# Altium PCB SNES_DRONE_PCB.PcbDoc (part 2 of 2)
Units mm, origin at the board's own origin, x right, y up, seen from the top; angles counter-clockwise.
Board outline 102 x 100 mm, 2 copper layers (Top Layer, Bottom Layer), stack 1.336 mm thick; 102 components, 110 nets, 473 pads, 169 vias.
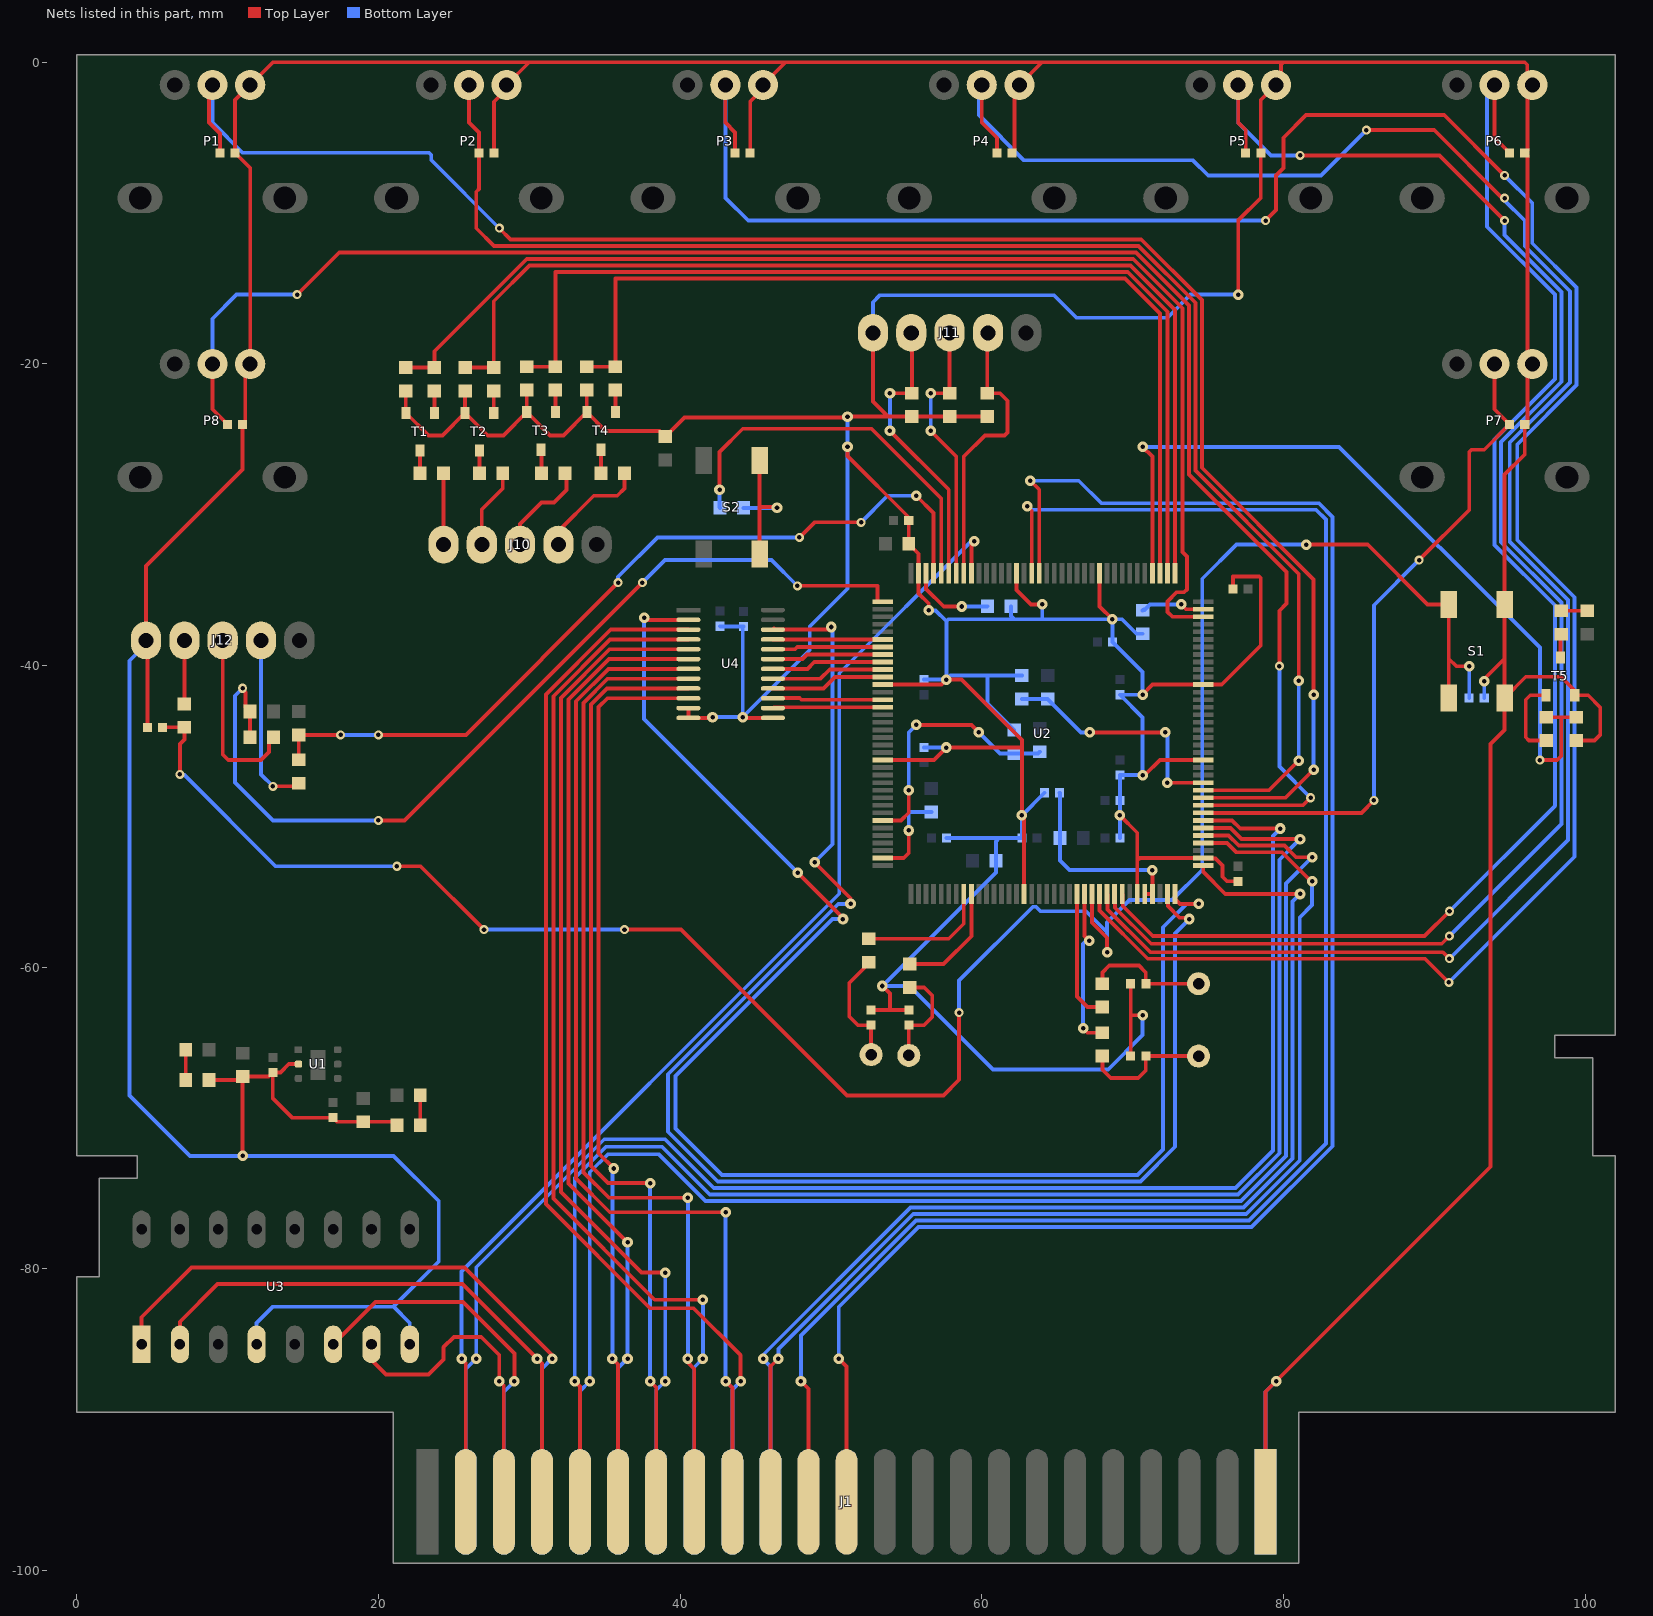
[diagram p2: the nets of this part, all layers, seen from the top]

## Via types
v1: diameter 0.7, hole 0.3, Top Layer to Bottom Layer, 132 vias
v2: diameter 0.6, hole 0.3, Top Layer to Bottom Layer, 37 vias

## Nets (pads, with @x,y where several pads share a name; then routed paths per layer and width w, separated by ;. In a path a pad name is that pad's centre, name@x,y a point inside that pad or via, vN(x,y) a via of type N, cw(c..) or ccw(c..) an arc to the next point about the centre after c; other vN are vias at no path point) (continued)
ADR22: J1.47 U2.91 | length 119.4
  Top Layer w0.254: v1(50.515,-85.94) 51.04,-86.465 J1.47@51.04,-95.44 ; v1(63.215,-27.74) 63.81,-28.335 U2.91@63.81,-33.88
  Bottom Layer w0.254: v1(50.515,-85.94) 50.515,-82.521 55.814,-77.223 77.893,-77.223 83.249,-71.866 83.249,-30.137 82.348,-29.236 67.929,-29.236 66.433,-27.74 v1(63.215,-27.74)
ADR23: J1.48 U2.92 | length 117.4
  Top Layer w0.254: v1(48.015,-87.44) 48.515,-87.94 J1.48@48.515,-95.44 ; v1(63.015,-29.44) 63.31,-29.735 U2.92@63.31,-33.88
  Bottom Layer w0.254: v1(48.015,-87.44) 48.015,-84.411 55.635,-76.791 77.714,-76.791 82.815,-71.69 82.815,-30.314 82.17,-29.668 63.244,-29.668 v1(63.015,-29.44)
BOOT0: R14.2 R15.2 U2.138 | length 17
  Top Layer w0.254: U2.138@53.43,-50.26 54.65,-50.26 55.16,-49.75 v1(55.16,-48.26) ; v1(55.66,-43.93) 59.31,-43.93 v1(59.81,-44.43)
  Bottom Layer w0.254: v1(55.16,-48.26) 55.16,-44.43 v1(55.66,-43.93) ; v1(59.81,-44.43) 61.204,-45.823 R15.2@62.15,-45.823 63.736,-45.823 R14.2@63.855,-45.705
BOOT1: R16.2 R17.2 U2.48 | length 16.2
  Top Layer w0.254: v1(67.16,-44.43) v1(72.16,-44.43) ; v1(72.31,-47.76) U2.48@74.69,-47.76
  Bottom Layer w0.254: R17.2@62.66,-42.205 R16.2@64.364,-42.205 66.589,-44.43 v1(67.16,-44.43) ; v1(72.16,-44.43) 72.31,-44.58 v1(72.31,-47.76)
BTN0: J11.2 R9.2 U2.101 | length 19
  Top Layer w0.254: U2.101@58.81,-33.88 58.81,-26.145 60.215,-24.74 61.515,-24.74 61.715,-24.54 61.715,-22.44 61.215,-21.94 R9.2@60.365,-21.94 60.365,-17.98 J11.2@60.405,-17.94
BTN1: J11.3 R10.2 U2.102 | length 17.9
  Top Layer w0.254: v1(56.615,-24.44) 58.31,-26.135 U2.102@58.31,-33.88 ; v1(56.615,-21.94) R10.2@57.865,-21.94 J11.3@57.865,-17.94
  Bottom Layer w0.254: v1(56.615,-24.44) v1(56.615,-21.94)
BTN2: J11.4 R11.2 U2.103 | length 19
  Top Layer w0.254: v1(53.915,-24.44) 57.81,-28.335 U2.103@57.81,-33.88 ; v1(53.915,-21.94) R11.2@55.365,-21.94 55.365,-17.98 J11.4@55.325,-17.94
  Bottom Layer w0.254: v1(53.915,-24.44) v1(53.915,-21.94)
BTN3: R13.2 U2.104 | length 25.9
  Top Layer w0.254: v1(42.615,-28.34) 42.615,-25.84 44.155,-24.3 52.7,-24.3 57.31,-28.91 U2.104@57.31,-33.88
  Bottom Layer w0.254: v1(42.615,-28.34) 42.615,-29.505 R13.2@42.65,-29.54
DATA0: U2.114 U4.21 | length 7.3
  Top Layer w0.254: U4.21@46.15,-38.265 46.155,-38.26 U2.114@53.43,-38.26
DATA1: U2.115 U4.20 | length 7.3
  Top Layer w0.254: U4.20@46.15,-38.915 47.615,-38.915 47.77,-38.76 U2.115@53.43,-38.76
DATA2: U2.116 U4.19 | length 7.4
  Top Layer w0.254: U4.19@46.15,-39.565 48.115,-39.565 48.42,-39.26 U2.116@53.43,-39.26
DATA3: U2.117 U4.18 | length 7.5
  Top Layer w0.254: U4.18@46.15,-40.215 48.44,-40.215 48.895,-39.76 U2.117@53.43,-39.76
DATA4: U2.118 U4.17 | length 7.5
  Top Layer w0.254: U4.17@46.15,-40.865 49.315,-40.865 49.92,-40.26 U2.118@53.43,-40.26
DATA5: U2.119 U4.16 | length 7.6
  Top Layer w0.254: U4.16@46.15,-41.515 49.515,-41.515 50.27,-40.76 U2.119@53.43,-40.76
DATA6: U2.122 U4.15 | length 7.3
  Top Layer w0.254: U4.15@46.15,-42.165 46.175,-42.14 47.915,-42.14 48.035,-42.26 U2.122@53.43,-42.26
DATA7: U2.123 U4.14 | length 7.3
  Top Layer w0.254: U4.14@46.15,-42.815 46.205,-42.76 U2.123@53.43,-42.76
GND: C1.1 C2.1 C3.1 C4.1 C5.1 C6.1 C7.1 C8.1 C9.1 C10.1 C11.1 C12.1 C13.1 C14.1 C15.1 C16.1 C17.1 C18.1 C19.1 C20.1 C21.1 C22.1 C23.1 C24.1 C25.1 C26.1 C27.1 C28.1 C29.1 C30.1 C31.2 C32.1 C33.1 C34.1 C35.1 C36.2 C37.1 D1.2 D2.2 J1.5 J1.36 J11.5 J12.1 P1.3 P2.3 P3.3 P4.3 P5.3 P6.3 P7.3 P8.3 R9.1 R10.1 R11.1 R12.1 R15.1 R17.1 R26.1 R27.1 R28.1 R29.1 R32.1 S1.3 T1.2 T2.2 T3.2 T4.2 T5.2 U1.2 U2.16 U2.31 U2.38 U2.51 U2.61 U2.83 U2.94 U2.107 U2.120 U2.130 U3.4 U3.8 U4.11 U4.12 U4.13 | length 703.8
  Top Layer w0.254: C37.1@4.682,-44.09 4.682,-38.417 J12.1@4.596,-38.332 4.596,-33.404 11,-27 C12.1@11,-24 11.173,-23.827 11.173,-20.327 P8.3@11.5,-20 11.5,-7 C5.1@10.5,-6 10.5,-2.5 P1.3@11.5,-1.5 13,0 30,0 ; D1.2@8.775,-67.47 10.775,-67.47 C1.1@11,-67.245 ; v1(11,-72.5) C1.1@11,-67.245 ; U1.2@14.7,-66.42 14.06,-66.42 13.51,-66.97 C2.1@13,-66.97 ; D2.2@21.225,-70.47 21,-70.245 C3.1@19,-70.245 17.275,-70.245 C4.1@17,-69.97 14.275,-69.97 13,-68.695 C2.1@13,-66.97 ; R26.1@21.815,-21.79 T1.2@21.815,-23.24 23.315,-24.74 24.245,-24.74 T2.2@25.745,-23.24 ; R27.1@25.745,-21.784 T2.2@25.745,-23.24 ; C6.1@27.665,-6 27.665,-2.618 28.5,-1.784 P2.3@28.5,-1.5 30,0 ; R28.1@29.835,-21.734 T3.2@29.835,-23.19 ; R29.1@33.815,-21.734 T4.2@33.815,-23.19 ; U4.11@40.55,-42.815 U4.12@40.55,-43.465 42.1,-43.465 v1(42.15,-43.415) ; v1(44.15,-43.415) 44.15,-43.465 U4.13@46.15,-43.465 ; C7.1@44.65,-6 44.65,-2.603 45.5,-1.754 P3.3@45.5,-1.5 47,0 ; v1(51.1,-25.5) 51.1,-26.1 55.16,-30.16 C13.1@55.16,-30.376 C25.1@55.16,-31.93 55.81,-32.58 U2.107@55.81,-33.88 55.81,-35.21 56.49,-35.89 v1(56.49,-36.335) ; C33.1@52.665,-62.84 53.915,-62.84 ; J11.5@52.785,-17.94 52.785,-22.49 53.785,-23.49 ; v1(53.415,-61.24) 53.915,-61.74 53.915,-62.84 ; U2.130@53.43,-46.26 56.83,-46.26 v1(57.66,-45.43) 62.66,-45.43 ; U2.120@53.43,-41.26 57.33,-41.26 v1(57.66,-40.93) 58.66,-40.93 62.66,-44.93 62.66,-45.43 ; C32.1@55.165,-62.84 53.915,-62.84 ; R9.1@60.365,-23.49 R10.1@57.865,-23.49 R11.1@55.365,-23.49 53.785,-23.49 ; C8.1@62,-6 62.173,-5.827 62.173,-1.827 P4.3@62.5,-1.5 64,0 ; U2.94@62.31,-33.88 62.31,-34.985 63.265,-35.94 v1(64.015,-35.94) ; U2.16@62.81,-55.14 62.81,-50.08 v1(62.66,-49.93) 62.66,-45.43 ; U2.83@67.81,-33.88 67.81,-36.08 v1(68.66,-36.93) ; v1(69.16,-49.93) 70.31,-51.08 70.31,-52.93 ; C35.1@69.875,-65.89 69.875,-63.14 ; C34.1@69.875,-61.09 69.875,-63.14 ; U2.31@70.31,-55.14 70.31,-52.93 ; v1(70.66,-63.185) 69.92,-63.185 69.875,-63.14 ; v1(70.66,-47.26) 70.81,-47.26 71.81,-46.26 U2.51@74.69,-46.26 ; v1(70.66,-41.93) 71.33,-41.26 U2.61@74.69,-41.26 75.908,-41.26 78.5,-38.668 78.5,-34.2 78.4,-34.1 76.66,-34.1 C22.1@76.66,-34.93 ; C24.1@76.999,-54.3 76.258,-54.3 75.958,-54 75.958,-53.26 75.491,-52.793 74.723,-52.793 U2.38@74.69,-52.76 70.48,-52.76 70.31,-52.93 ; v1(77,-15.4) 77,-10.5 78.5,-9 C9.1@78.5,-6 78.5,-2.5 P5.3@79.5,-1.5 79.834,-1.166 79.834,-0.166 80,0 ; J1.36@78.815,-95.44 78.815,-88.14 v1(79.515,-87.44) 93.732,-73.223 93.732,-45.206 94.665,-44.273 S1.3@94.665,-42.14 ; v1(93.315,-41.04) 93.315,-40.89 94.665,-39.54 ; R32.1@99.415,-44.971 100.619,-44.971 101,-44.59 101,-42.76 100.205,-41.965 T5.2@99.315,-41.965 99.315,-41.658 98.396,-40.74 96.065,-40.74 S1.3@94.665,-42.14 ; C1.1@11,-67.245 12.725,-67.245 C2.1@13,-66.97 ; T2.2@25.745,-23.24 27.245,-24.74 28.285,-24.74 T3.2@29.835,-23.19 ; T3.2@29.835,-23.19 31.385,-24.74 32.265,-24.74 T4.2@33.815,-23.19 ; 30,0 47,0 ; T4.2@33.815,-23.19 35.065,-24.44 38.64,-24.44 R12.1@39.015,-24.815 39.04,-24.815 40.298,-23.557 51.042,-23.557 v1(51.1,-23.499) 51.109,-23.49 53.785,-23.49 ; 47,0 64,0 ; 64,0 80,0 ; 80,0 96,0 96.166,-0.166 96.166,-1.166 P6.3@96.5,-1.5 96.173,-1.827 96.173,-5.827 C10.1@96,-6 96.173,-6.173 96.173,-19.673 P7.3@96.5,-20 96.173,-20.327 96.173,-23.827 C11.1@96,-24 96,-26 94.665,-27.335 S1.3@94.665,-35.94 94.665,-39.54 ; S1.3@94.665,-42.14 94.665,-39.54
  Bottom Layer w0.254: J12.1@4.596,-38.332 4.596,-38.582 3.5,-39.678 3.5,-68.5 7.5,-72.5 v1(11,-72.5) 21,-72.5 24,-75.5 24,-79.5 21,-82.5 ; U3.4@11.92,-85 11.92,-83.58 13,-82.5 21,-82.5 ; U3.8@22.08,-85 22.08,-83.58 21,-82.5 ; v1(42.15,-43.415) v1(44.15,-43.415) ; C30.1@42.65,-37.39 42.675,-37.415 C31.2@44.2,-37.415 44.15,-37.465 v1(44.15,-43.415) ; v1(51.1,-23.499) v1(51.1,-25.5) 51.1,-34.9 48.6,-37.4 48.6,-38.965 v1(44.15,-43.415) ; J11.5@52.785,-17.94 52.785,-15.911 53.256,-15.44 64.775,-15.44 66.275,-16.94 72.31,-16.94 73.85,-15.4 v1(77,-15.4) ; C15.1@56.16,-45.43 v1(57.66,-45.43) ; C14.1@56.16,-40.93 v1(57.66,-40.93) ; v1(56.49,-36.335) 56.935,-36.335 57.66,-37.06 ; C16.1@57.66,-51.43 61.16,-51.43 ; C29.1@61.935,-36.06 61.935,-36.705 62.16,-36.93 ; R15.1@62.15,-44.273 60.385,-42.508 60.385,-40.742 60.298,-40.655 ; R17.1@62.66,-40.655 60.298,-40.655 ; v1(64.015,-35.94) 64.015,-36.93 ; C26.1@64.16,-48.43 v1(62.66,-49.93) C17.1@62.66,-51.43 61.16,-51.43 ; C18.1@69.16,-51.43 v1(69.16,-49.93) C19.1@69.16,-48.93 C20.1@69.16,-47.26 v1(70.66,-47.26) 70.66,-43.434 C21.1@69.156,-41.93 v1(70.66,-41.93) 70.66,-40.43 C23.1@68.66,-38.43 v1(68.66,-36.93) ; v1(70.66,-63.185) 70.66,-64.495 68.385,-66.77 60.74,-66.77 55.21,-61.24 v1(53.415,-61.24) 60.935,-53.72 C27.1@60.935,-52.93 60.935,-51.655 61.16,-51.43 ; C28.1@70.66,-37.885 70.26,-37.885 69.305,-36.93 v1(68.66,-36.93) ; J1.5@78.815,-95.44 78.815,-88.14 v1(79.515,-87.44) ; C36.2@93.315,-42.14 v1(93.315,-41.04) ; v1(57.66,-40.93) 57.935,-40.655 60.298,-40.655 ; v1(57.66,-40.93) 57.66,-37.06 ; 57.66,-37.06 57.79,-36.93 62.16,-36.93 ; 62.16,-36.93 64.015,-36.93 ; 64.015,-36.93 v1(68.66,-36.93)
GPIO0: R19.1 R26.2 U2.70 | length 80
  Top Layer w0.254: R26.2@21.815,-20.24 R19.1@23.715,-20.24 23.715,-19.159 29.83,-13.044 70.042,-13.044 73.3,-16.303 73.3,-32.465 73.6,-32.765 73.6,-34.955 73.415,-35.14 72.915,-35.14 72.315,-35.74 72.315,-36.44 72.635,-36.76 U2.70@74.69,-36.76
GPIO1: R21.1 R27.2 U2.73 | length 71.1
  Top Layer w0.254: R27.2@25.745,-20.234 R21.1@27.645,-20.234 27.645,-15.84 30.009,-13.476 69.863,-13.476 72.81,-16.424 U2.73@72.81,-33.88
GPIO2: R23.1 R28.2 U2.74 | length 67.2
  Top Layer w0.254: R28.2@29.835,-20.184 R23.1@31.735,-20.184 31.735,-13.908 69.684,-13.908 72.31,-16.535 U2.74@72.31,-33.88
GPIO3: R25.1 R29.2 U2.75 | length 62
  Top Layer w0.254: R29.2@33.815,-20.184 R25.1@35.715,-20.184 35.715,-14.34 69.505,-14.34 71.81,-16.645 U2.75@71.81,-33.88
MCU_POT0: C5.2 P1.2 U2.46 | length 120.3
  Top Layer w0.254: P1.2@9,-1.5 8.775,-1.725 8.775,-4 9.5,-4.725 C5.2@9.5,-6 ; v2(28.015,-11) 28.764,-11.749 70.578,-11.749 74.595,-15.766 74.595,-26.885 82,-34.289 v1(82,-41.93) ; U2.46@74.69,-48.76 80.14,-48.76 v1(82,-46.9)
  Bottom Layer w0.254: P1.2@9,-1.5 9,-4 11,-6 23.351,-6 23.5,-6.149 23.5,-6.485 v2(28.015,-11) ; v1(82,-46.9) v1(82,-41.93)
MCU_POT1: C6.2 P2.2 U2.47 | length 99.9
  Top Layer w0.254: P2.2@26,-1.5 26,-4 26.665,-4.665 C6.2@26.665,-6 26.665,-8.412 26.49,-8.588 26.49,-11 27.671,-12.181 70.399,-12.181 74.164,-15.945 74.164,-27.064 81.015,-33.915 v1(81.015,-41) ; U2.47@74.69,-48.26 79.055,-48.26 v1(81.015,-46.3)
  Bottom Layer w0.254: v1(81.015,-46.3) v1(81.015,-41)
MCU_POT2: C7.2 P3.2 U2.26 | length 160
  Top Layer w0.254: P3.2@43,-1.5 43,-4 43.65,-4.65 C7.2@43.65,-6 ; U2.26@67.81,-55.14 67.81,-56.238 71.004,-59.432 89.397,-59.432 v2(90.965,-61) ; v2(78.815,-10.5) 79.515,-9.8 79.515,-7.5 80,-7.015 80,-5 81.5,-3.5 90.665,-3.5 v2(94.665,-7.5)
  Bottom Layer w0.254: P3.2@43,-1.5 43.015,-1.515 43.015,-9 44.515,-10.5 v2(78.815,-10.5) ; v2(90.965,-61) 99.295,-52.67 99.295,-35.463 95.5,-31.668 95.5,-25.332 99.432,-21.4 99.432,-14.932 96.5,-12 96.5,-9.335 v2(94.665,-7.5)
MCU_POT3: C8.2 P4.2 U2.27 | length 130.4
  Top Layer w0.254: P4.2@60,-1.5 60,-4 61,-5 C8.2@61,-6 ; U2.27@68.31,-55.14 68.343,-55.173 68.343,-56.16 71.183,-59 90.568,-59 v2(91,-59.432) ; v2(85.5,-4.5) 90,-4.5 94.5,-9 v2(94.665,-9)
  Bottom Layer w0.254: P4.2@60,-1.5 59.81,-1.69 59.81,-3.5 62.81,-6.5 74.015,-6.5 75.015,-7.5 82.5,-7.5 v2(85.5,-4.5) ; v2(91,-59.432) 98.864,-51.568 98.864,-35.642 95,-31.779 95,-25.221 99,-21.221 99,-15.179 96,-12.179 96,-10.5 94.665,-9.165 v2(94.665,-9)
MCU_POT4: C9.2 P5.2 U2.28 | length 107.2
  Top Layer w0.254: U2.28@68.81,-55.14 68.843,-55.173 68.843,-56.049 71.234,-58.44 90.495,-58.44 v2(91,-57.935) ; P5.2@77,-1.5 77,-4 77.5,-4.5 C9.2@77.5,-6 ; v2(81.1,-6.173) 90.338,-6.173 v2(94.665,-10.5)
  Bottom Layer w0.254: P5.2@77,-1.5 77,-4 79.173,-6.173 v2(81.1,-6.173) ; v2(91,-57.935) 98.432,-50.503 98.432,-35.821 94.432,-31.821 94.432,-25.179 98.432,-21.179 98.432,-15.221 94.665,-11.455 v2(94.665,-10.5)
MCU_POT5: C10.2 P6.2 U2.29 | length 92
  Top Layer w0.254: U2.29@69.31,-55.14 69.343,-55.173 69.343,-55.939 71.339,-57.935 89.36,-57.935 v2(91.011,-56.284) ; P6.2@94,-1.5 94,-5 C10.2@95,-6
  Bottom Layer w0.254: v2(91.011,-56.284) 98,-49.295 98,-36 94,-32 94,-25 98,-21 98,-15.4 93.5,-10.9 93.5,-2 P6.2@94,-1.5
MCU_POT6: C11.2 P7.2 U2.44 | length 45.2
  Top Layer w0.254: U2.44@74.69,-49.76 85.17,-49.76 v2(86,-48.93) ; v2(89,-33) 92.315,-29.685 92.315,-25.839 92.464,-25.69 93.31,-25.69 C11.2@95,-24 94,-23 P7.2@94,-20
  Bottom Layer w0.254: v2(86,-48.93) 86,-36 v2(89,-33)
MCU_POT7: C12.2 P8.2 U2.45 | length 119.1
  Top Layer w0.254: P8.2@9,-20 9,-23 C12.2@10,-24 ; v2(14.615,-15.4) 17.402,-12.613 70.22,-12.613 73.732,-16.124 73.732,-27.332 80.2,-33.8 80.2,-35.89 79.732,-36.358 v2(79.732,-40.04) ; U2.45@74.69,-49.26 81.3,-49.26 v2(81.8,-48.76)
  Bottom Layer w0.254: P8.2@9,-20 9,-17 10.6,-15.4 v2(14.615,-15.4) ; v2(79.732,-40.04) 79.732,-46.692 v2(81.8,-48.76)
MCU_USR_LED: R31.1 R32.2 U2.76 | length 54.1
  Top Layer w0.254: v1(70.664,-25.5) 71.31,-26.146 U2.76@71.31,-33.88 ; v2(97,-46.26) 98.155,-46.26 98.415,-46 98.415,-43.421 ; R31.1@97.415,-43.421 98.415,-43.421 ; R32.2@99.415,-43.421 98.415,-43.421
  Bottom Layer w0.254: v1(70.664,-25.5) 83.695,-25.5 97,-38.805 v2(97,-46.26)
NetC26_2: C26.2 L1.2 U2.32 U2.33 | length 13
  Top Layer w0.254: U2.32@70.81,-55.14 U2.33@71.31,-55.14 v1(71.31,-53.56)
  Bottom Layer w0.254: C26.2@65.16,-48.43 65.181,-48.451 L1.2@65.181,-51.43 65.181,-52.93 65.811,-53.56 v1(71.31,-53.56)
NetC28_2: C28.2 U2.71 | length 4.4
  Top Layer w0.254: v1(73.215,-35.94) 73.535,-36.26 U2.71@74.69,-36.26
  Bottom Layer w0.254: C28.2@70.66,-36.335 70.735,-36.26 70.79,-36.315 71.165,-35.94 v1(73.215,-35.94)
NetC29_2: C29.2 U2.106 | length 5.6
  Top Layer w0.254: U2.106@56.31,-33.88 56.31,-34.91 57.48,-36.08 v1(58.66,-36.08)
  Bottom Layer w0.254: v1(58.66,-36.08) 60.365,-36.08 C29.2@60.385,-36.06
NetC32_2: C32.2 R5.1 X1.1 | length 7
  Top Layer w0.254: X1.1@55.165,-65.84 C32.2@55.165,-63.84 56.165,-63.84 56.715,-63.29 56.715,-61.865 56.19,-61.34 R5.1@55.165,-61.34
NetC33_2: C33.2 R6.1 X1.2 | length 7.9
  Top Layer w0.254: R6.1@52.615,-59.636 51.215,-61.036 51.215,-63.27 51.785,-63.84 C33.2@52.665,-63.84 X1.2@52.665,-65.79
NetC34_2: C34.2 R7.1 X2.1 | length 8.2
  Top Layer w0.254: R7.1@68,-61.09 68,-60.34 68.45,-59.89 70.425,-59.89 70.875,-60.34 C34.2@70.875,-61.09 X2.1@74.375,-61.09
NetC35_2: C35.2 R8.1 X2.2 | length 8.7
  Top Layer w0.254: R8.1@68,-65.89 68,-66.79 68.55,-67.34 70.375,-67.34 70.875,-66.84 C35.2@70.875,-65.89 X2.2@74.375,-65.89
NetD1_1: D1.1 R1.1 | length 2
  Top Layer w0.254: D1.1@7.225,-67.47 R1.1@7.225,-65.47
NetD2_1: D2.1 R4.1 | length 2
  Top Layer w0.254: D2.1@22.775,-70.47 R4.1@22.775,-68.47
NetD3_2: D3.2 R30.2 | length 1.7
  Top Layer w0.254: R30.2@98.415,-36.365 D3.2@100.144,-36.365
NetJ1_18: J1.18 U2.37 | length 75.8
  Top Layer w0.254: v1(45.515,-85.94) v1@45.629,-85.94 ; U2.37@74.69,-53.26 74.69,-53.69 76.14,-55.14 81.057,-55.14 81.078,-55.118 v1(81.1,-55.14)
  Bottom Layer w0.254: J1.18@45.99,-95.44 45.99,-86.465 45.465,-85.94 v1(45.515,-85.94) 45.515,-85.689 55.277,-75.927 77.356,-75.927 80.595,-72.688 80.595,-55.644 v1(81.1,-55.14)
NetJ1_19: J1.19 U4.3 | length 72
  Top Layer w0.254: U4.3@40.55,-37.615 35.4,-37.615 31.1,-41.915 31.1,-75.7 38,-82.6 40.9,-82.6 44.015,-85.715 v1(44.015,-87.44)
  Bottom Layer w0.254: J1.19@43.465,-95.44 43.465,-87.99 v1(44.015,-87.44)
NetJ1_20: J1.20 U4.4 | length 70.1
  Top Layer w0.254: U4.4@40.55,-38.265 35.361,-38.265 31.6,-42.026 31.6,-75.325 38.315,-82.04 v1(41.515,-82.04)
  Bottom Layer w0.254: J1.20@40.94,-95.44 40.94,-86.515 v1(41.515,-85.94) v1(41.515,-82.04)
NetJ1_21: J1.21 U4.5 | length 67.1
  Top Layer w0.254: v1(39.015,-80.24) 37.44,-80.24 32.1,-74.9 32.1,-42.137 35.322,-38.915 U4.5@40.55,-38.915
  Bottom Layer w0.254: J1.21@38.415,-95.44 38.415,-88.04 v1(39.015,-87.44) v1(39.015,-80.24)
NetJ1_22: J1.22 U4.6 | length 64.1
  Top Layer w0.254: v1(36.515,-78.24) 32.6,-74.325 32.6,-42.247 35.282,-39.565 U4.6@40.55,-39.565
  Bottom Layer w0.254: J1.22@35.89,-95.44 35.89,-86.565 v1(36.515,-85.94) v1(36.515,-78.24)
NetJ1_23: J1.23 U2.41 | length 99.6
  Top Layer w0.254: U2.41@74.69,-51.26 76.368,-51.26 77.042,-51.934 80.07,-51.934 80.836,-52.7 v1(81.9,-52.7)
  Bottom Layer w0.254: J1.23@33.365,-95.44 33.365,-88.09 v1(34.015,-87.44) 34.015,-73.585 35.2,-72.4 38.6,-72.4 41.696,-75.496 77.177,-75.496 80.164,-72.509 80.164,-54.436 v1(81.9,-52.7)
NetJ1_24: J1.24 U3.1 | length 42.8
  Top Layer w0.254: U3.1@4.3,-85 4.3,-83.2 7.6,-79.9 25.7,-79.9 31.515,-85.715 v1(31.515,-85.94)
  Bottom Layer w0.254: J1.24@30.84,-95.44 30.84,-86.615 v1(31.515,-85.94)
NetJ1_25: J1.25 U3.6 | length 24.7
  Top Layer w0.254: U3.6@17,-85 19.8,-82.2 25.6,-82.2 29.015,-85.615 v1(29.015,-87.44)
  Bottom Layer w0.254: J1.25@28.315,-95.44 28.315,-88.14 v1(29.015,-87.44)
NetJ1_26: J1.26 U2.43 | length 101.4
  Top Layer w0.254: U2.43@74.69,-50.26 76.595,-50.26 77.136,-50.8 v1(79.8,-50.8)
  Bottom Layer w0.254: J1.26@25.79,-95.44 25.79,-86.64 v1(26.49,-85.94) 26.49,-79.882 34.972,-71.4 39,-71.4 42.232,-74.632 76.82,-74.632 79.3,-72.152 79.3,-51.3 v1(79.8,-50.8)
NetJ1_49: J1.49 U2.40 | length 77.2
  Top Layer w0.254: J1.49@45.99,-95.44 45.99,-86.415 46.04,-86.415 v1(46.515,-85.94) ; U2.40@74.69,-51.76 76.254,-51.76 76.862,-52.368 79.89,-52.368 81.822,-54.3 v1(81.9,-54.3)
  Bottom Layer w0.254: v1(46.515,-85.94) 46.515,-85.3 55.456,-76.359 77.535,-76.359 81.078,-72.816 81.078,-56.703 81.9,-55.882 v1(81.9,-54.3)
NetJ1_50: J1.50 U4.7 | length 70.2
  Top Layer w0.254: U4.7@40.55,-40.215 35.243,-40.215 33.1,-42.358 33.1,-74 35.34,-76.24 v1(43.015,-76.24) ; v1(43.015,-87.44) 43.465,-87.89 J1.50@43.465,-95.44
  Bottom Layer w0.254: v1(43.015,-87.44) v1(43.015,-76.24)
NetJ1_51: J1.51 U4.8 | length 66.7
  Top Layer w0.254: v1(40.515,-85.94) 40.515,-86.2 40.94,-86.625 J1.51@40.94,-95.44 ; v1(40.515,-75.273) 35.273,-75.273 33.6,-73.6 33.6,-42.469 35.204,-40.865 U4.8@40.55,-40.865
  Bottom Layer w0.254: v1(40.515,-85.94) v1(40.515,-75.273)
NetJ1_52: J1.52 U4.9 | length 63.3
  Top Layer w0.254: v1(38.015,-87.44) 38.415,-87.84 J1.52@38.415,-95.44 ; v1(38.015,-74.307) 35.222,-74.307 34.1,-73.185 34.1,-42.579 35.164,-41.515 U4.9@40.55,-41.515
  Bottom Layer w0.254: v1(38.015,-74.307) v1(38.015,-87.44) v1@38.115,-87.34
NetJ1_53: J1.53 U4.10 | length 59.5
  Top Layer w0.254: v1(35.515,-85.94) 35.89,-86.315 J1.53@35.89,-95.44 ; v1(35.615,-73.34) 34.6,-72.325 34.6,-42.744 35.18,-42.165 U4.10@40.55,-42.165
  Bottom Layer w0.254: v1(35.515,-85.94) 35.515,-73.44 v1(35.615,-73.34)
NetJ1_54: J1.54 U2.42 | length 100
  Top Layer w0.254: v1(33.015,-87.44) 33.365,-87.79 J1.54@33.365,-95.44 J1.54@33.565,-95.24 ; U2.42@74.69,-50.76 76.482,-50.76 77.222,-51.5 v1(81.1,-51.5)
  Bottom Layer w0.254: v1(33.015,-87.44) 33.015,-73.971 35.086,-71.9 38.8,-71.9 41.964,-75.064 76.999,-75.064 79.732,-72.331 79.732,-52.868 v1(81.1,-51.5)
NetJ1_55: J1.55 U3.2 | length 37.9
  Top Layer w0.254: U3.2@6.84,-85 6.84,-83.5 9.34,-81 25.575,-81 v1(30.515,-85.94) 30.84,-86.265 J1.55@30.84,-95.44
NetJ1_56: J1.56 U3.7 | length 21.8
  Top Layer w0.254: U3.7@19.54,-85 19.54,-86.04 20.5,-87 23.315,-87 24.315,-86 24.315,-85.185 25,-84.5 26.815,-84.5 28.015,-85.7 v1(28.015,-87.44) 28.315,-87.74 J1.56@28.315,-95.44
NetJ1_57: J1.57 U2.100 | length 80.4
  Top Layer w0.254: v1(25.515,-85.94) 25.79,-86.215 J1.57@25.79,-95.44 ; U2.100@59.31,-33.88 59.31,-31.745 v1(59.515,-31.745)
  Bottom Layer w0.254: v1(25.515,-85.94) 25.515,-80.157 50.549,-55.123 50.549,-40.506 59.31,-31.745 v1(59.515,-31.745)
NetJ10_2: J10.2 R24.2 | length 7.5
  Top Layer w0.254: J10.2@31.935,-31.973 31.935,-31.08 34.275,-28.74 35.835,-28.74 36.315,-28.26 R24.2@36.315,-27.24
NetJ10_3: J10.3 R22.2 | length 6.5
  Top Layer w0.254: J10.3@29.395,-31.973 29.395,-30.61 30.815,-29.19 31.64,-29.19 32.465,-28.365 32.465,-27.34 R22.2@32.365,-27.24
NetJ10_4: J10.4 R20.2 | length 5.3
  Top Layer w0.254: J10.4@26.855,-31.973 26.855,-29.65 28.245,-28.26 R20.2@28.245,-27.24
NetJ10_5: J10.5 R18.2 | length 4.7
  Top Layer w0.254: J10.5@24.315,-31.973 R18.2@24.315,-27.24
NetJ12_2: J12.2 R35.1 | length 4.2
  Top Layer w0.254: R35.1@7.136,-42.54 J12.2@7.136,-38.332
NetJ12_3: J12.3 R34.1 | length 12.1
  Top Layer w0.254: J12.3@9.676,-38.332 9.676,-45.896 10.04,-46.26 12.216,-46.26 12.739,-45.737 12.739,-45.042 R34.1@13.037,-44.744
NetJ12_4: J12.4 R33.1 | length 11.8
  Top Layer w0.254: v2(13,-48) 14.51,-48 R33.1@14.716,-47.794
  Bottom Layer w0.254: J12.4@12.216,-38.332 12.216,-47.216 v2(13,-48)
NetR2_2: R2.2 U2.143 | length 6.1
  Top Layer w0.254: U2.143@53.43,-52.76 54.83,-52.76 55.16,-52.43 v1(55.16,-50.93)
  Bottom Layer w0.254: v1(55.16,-50.93) 55.16,-49.705 R2.2@56.66,-49.705
NetR13_1: R13.1 S2.1 | length 9.6
  Top Layer w0.254: S2.1@45.275,-32.59 45.275,-29.49 ; S2.1@45.275,-26.39 45.275,-29.49 ; v1(46.425,-29.54) 46.425,-29.49 45.275,-29.49
  Bottom Layer w0.254: R13.1@44.2,-29.54 v1(46.425,-29.54)
NetR18_1: R18.1 T1.3 | length 1.5
  Top Layer w0.254: R18.1@22.765,-27.24 T1.3@22.765,-25.74
NetR19_2: R19.2 T1.1 | length 1.4
  Top Layer w0.254: T1.1@23.715,-23.24 R19.2@23.715,-21.79
NetR20_1: R20.1 T2.3 | length 1.5
  Top Layer w0.254: R20.1@26.695,-27.24 T2.3@26.695,-25.74
NetR21_2: R21.2 T2.1 | length 1.5
  Top Layer w0.254: T2.1@27.645,-23.24 R21.2@27.645,-21.784
NetR22_1: R22.1 T3.3 | length 1.6
  Top Layer w0.254: T3.3@30.785,-25.69 30.815,-25.72 R22.1@30.815,-27.24
NetR23_2: R23.2 T3.1 | length 1.5
  Top Layer w0.254: T3.1@31.735,-23.19 R23.2@31.735,-21.734
NetR24_1: R24.1 T4.3 | length 1.6
  Top Layer w0.254: R24.1@34.765,-27.24 T4.3@34.765,-25.69
NetR25_2: R25.2 T4.1 | length 1.5
  Top Layer w0.254: T4.1@35.715,-23.19 R25.2@35.715,-21.734
NetR30_1: R30.1 T5.3 | length 1.6
  Top Layer w0.254: T5.3@98.365,-39.465 98.365,-37.966 R30.1@98.415,-37.915
NetR31_2: R31.2 T5.1 | length 5.4
  Top Layer w0.254: T5.1@97.415,-41.965 96.36,-41.965 96.065,-42.26 96.065,-44.744 96.292,-44.971 R31.2@97.415,-44.971
NetU2_35: U2.35 U4.22 | length 98.7
  Top Layer w0.254: U4.22@46.22,-37.545 U4.22@46.15,-37.615 49.84,-37.615 v1(50.015,-37.44) ; v1(48.915,-53.04) 51.3,-55.425 v1(51.3,-55.8) ; U2.35@72.31,-55.14 72.343,-55.173 72.343,-55.939 73.119,-56.715 73.68,-56.715 v1(73.765,-56.8)
  Bottom Layer w0.254: v1(48.915,-53.04) 50.115,-51.84 50.115,-37.34 v1(50.015,-37.44) ; v1(51.3,-55.8) 50.486,-55.8 39.2,-67.086 39.2,-70.9 42.498,-74.198 70.516,-74.198 72.815,-71.899 72.815,-57.75 v1(73.765,-56.8)
NetU2_36: U2.36 U4.2 | length 101.4
  Top Layer w0.254: v1(37.615,-36.84) 37.74,-36.965 U4.2@40.55,-36.965 ; v1(47.815,-53.74) 50.8,-56.725 v1(50.8,-56.8) ; U2.36@72.81,-55.14 72.81,-55.468 73.142,-55.8 v1(74.375,-55.8)
  Bottom Layer w0.254: v1(37.615,-36.84) 37.615,-43.54 v1(47.815,-53.74) ; v1(50.8,-56.8) 50.1,-56.8 39.7,-67.2 39.7,-70.686 42.78,-73.766 70.334,-73.766 72.015,-72.085 72.015,-57.35 73.565,-55.8 v1(74.375,-55.8)
NRST: C36.1 C37.2 R35.2 S1.1 U2.25 | length 146.8
  Top Layer w0.254: C37.2@5.682,-44.09 R35.2@7.136,-44.09 7.136,-44.896 6.84,-45.192 v2(6.84,-47.216) ; v2(21.225,-53.3) 22.8,-53.3 v2(27,-57.5) ; v2(36.315,-57.5) 40.065,-57.5 51.065,-68.5 57.46,-68.5 58.5,-67.46 v2(58.5,-63) ; U2.25@67.31,-55.14 67.31,-57.04 68.31,-58.04 v1(68.31,-59) ; v1(81.5,-31.975) 85.59,-31.975 89.555,-35.94 S1.1@90.965,-35.94 90.965,-39.54 ; S1.1@90.965,-42.14 90.965,-39.54 ; v1(92.315,-40.04) 91.465,-40.04 90.965,-39.54
  Bottom Layer w0.254: v2(6.84,-47.216) 6.884,-47.26 7.136,-47.26 13.176,-53.3 v2(21.225,-53.3) ; v2(27,-57.5) v2(36.315,-57.5) ; v2(58.5,-63) 58.5,-60.882 63.395,-55.987 63.605,-55.987 63.902,-56.284 66.915,-56.284 68.31,-57.679 ; v1(68.31,-59) 68.31,-57.679 ; v1(81.5,-31.975) 76.88,-31.975 74.615,-34.24 74.615,-53.54 72.615,-55.54 69.8,-55.54 68.31,-57.03 68.31,-57.679 ; C36.1@92.315,-42.14 v1(92.315,-40.04)
OSC32_IN: R6.2 U2.8 | length 8.7
  Top Layer w0.254: R6.2@52.515,-58.111 57.814,-58.111 58.81,-57.115 U2.8@58.81,-55.14
OSC32_OUT: R5.2 U2.9 | length 7.7
  Top Layer w0.254: R5.2@55.215,-59.79 57.46,-59.79 59.31,-57.94 U2.9@59.31,-55.14
OSC_IN: R7.2 U2.23 | length 8.8
  Top Layer w0.254: U2.23@66.31,-55.14 66.31,-61.935 67.015,-62.64 R7.2@68,-62.64
OSC_OUT: R8.2 U2.24 | length 10.7
  Top Layer w0.254: v1(66.715,-64.04) 67.015,-64.34 R8.2@68,-64.34 ; U2.24@66.81,-55.14 66.81,-57.935 v1(67.115,-58.24)
  Bottom Layer w0.254: v1(66.715,-64.04) 66.715,-58.44 66.915,-58.24 v1(67.115,-58.24)
SWCLK: R34.2 R37.1 U2.109 | length 62.8
  Top Layer w0.254: v2(11,-41.5) 11,-41.594 11.189,-41.782 11.189,-42.742 R37.1@11.487,-43.04 R34.2@11.487,-44.744 ; v2(20,-50.26) 21.74,-50.26 v2(37.5,-34.5) ; v2(47.77,-34.707) 53.093,-34.707 53.093,-35.727 53.126,-35.76 U2.109@53.43,-35.76
  Bottom Layer w0.254: v2(11,-41.5) 10.5,-42 10.5,-47.76 13,-50.26 v2(20,-50.26) ; v2(37.5,-34.5) 39,-33 46.063,-33 v2(47.77,-34.707)
SWDIO: R33.2 R36.1 U2.105 | length 55
  Top Layer w0.254: R33.2@14.716,-46.244 R36.1@14.716,-44.59 v2(17.5,-44.59) ; v2(20,-44.59) 25.8,-44.59 v2(35.89,-34.5) ; v2(47.915,-31.5) 48.915,-30.5 v2(52,-30.5) ; v1(55.66,-28.74) 56.81,-29.89 U2.105@56.81,-33.88
  Bottom Layer w0.254: v2(17.5,-44.59) v2(20,-44.59) ; v2(35.89,-34.5) 35.89,-34.11 38.5,-31.5 v2(47.915,-31.5) ; v2(52,-30.5) 53.76,-28.74 v1(55.66,-28.74)
pads on no net: P1.4 P1.5 P2.4 P2.5 P3.4 P3.5 P4.4 P4.5 P5.4 P5.5 P6.4 P6.5 P7.4 P7.5 P8.4 P8.5 U1.3 U1.5 U1.7 U2.1 U2.2 U2.3 U2.4 U2.5 U2.7 U2.34 U2.58 U2.59 U2.60 U2.63 U2.64 U2.65 U2.66 U2.67 U2.68 U2.69 U2.77 U2.78 U2.79 U2.80 U2.81 U2.82 U2.85 U2.86 U2.93 U2.96 U2.97 U2.98 U2.99 U2.110 U2.111 U2.112 U2.113 U2.124 U2.125 U2.126 U2.127 U2.128 U2.129 U2.132 U2.133 U2.134 U2.135 U2.136 U2.137 U2.139 U2.140 U2.141 U2.142 U3.3 U3.5 U3.9 U3.10 U3.11 U3.12 U3.13 U3.14 U3.15 U4.23

## Silkscreen, mask and mechanical layers (free items; w line width, h text height)
Top Overlay:
  text "POT0" at 7.5,-9.5 h1
  text "POT1" at 24.5,-9.5 h1
  text "POT2" at 41.5,-9.5 h1
  text "POT3" at 58.015,-9.5 h1
  text "POT4" at 75.5,-9.5 h1
  text "POT5" at 92.315,-13 h1
  text "GND B2 B1 B0 3V3" at 65.515,-18.5 h1
  text "BTN3" at 44,-24.445 h1
  text "POT7" at 7.5,-28 h1
  text "POT6" at 92.315,-28 h1
  text "GND RST SWK SWD 3V3" at 1,-33.5 h1
  text "GPIO 0 1 2 3 5V" at 20.5,-36.84 h1
  text "RST" at 86.5,-39.5 h1
  text "Moogle SNES DRONE / V0.1.1 2019-09-21" at 22.895,-51 h1.52
  text "CIC" at 11.5,-81.825 h1
  text "GND" at 79.5,-86 h1 r90
  text "5V" at 24.5,-89.5 h1 r90
Top Solder:
  rectangle: 21,-99.5 81.015,-91.5
Bottom Solder:
  rectangle: 21,-99.5 81.015,-91.5
Edge Connector Area:
  rectangle: 21,-99.5 81.015,-91.5
Board Outline:
  the board outline again, w0.001

## Dimensions
0,0.5 to 102,0.5 on Outline
102,0.5 to 81,-99.5 on Outline